# Altium PCB APP_EMILE.PcbDoc (part 5 of 6)
Units mil, origin at the board's own origin, x right, y up, seen from the top; angles counter-clockwise.
Board outline 7620.03 x 9320.03 mil, 12 copper layers (L1_Signal, L2_GND, L3_Signal, L4_GND, L5_Power, L6_GND, L7_GND, L8_Power, L9_GND, L10_Signal, L11_GND, L12_Signal), stack 74.268 mil thick; 395 components, 338 nets, 2140 pads, 1400 vias.
Unrouted connection lines stored in the file: 223.
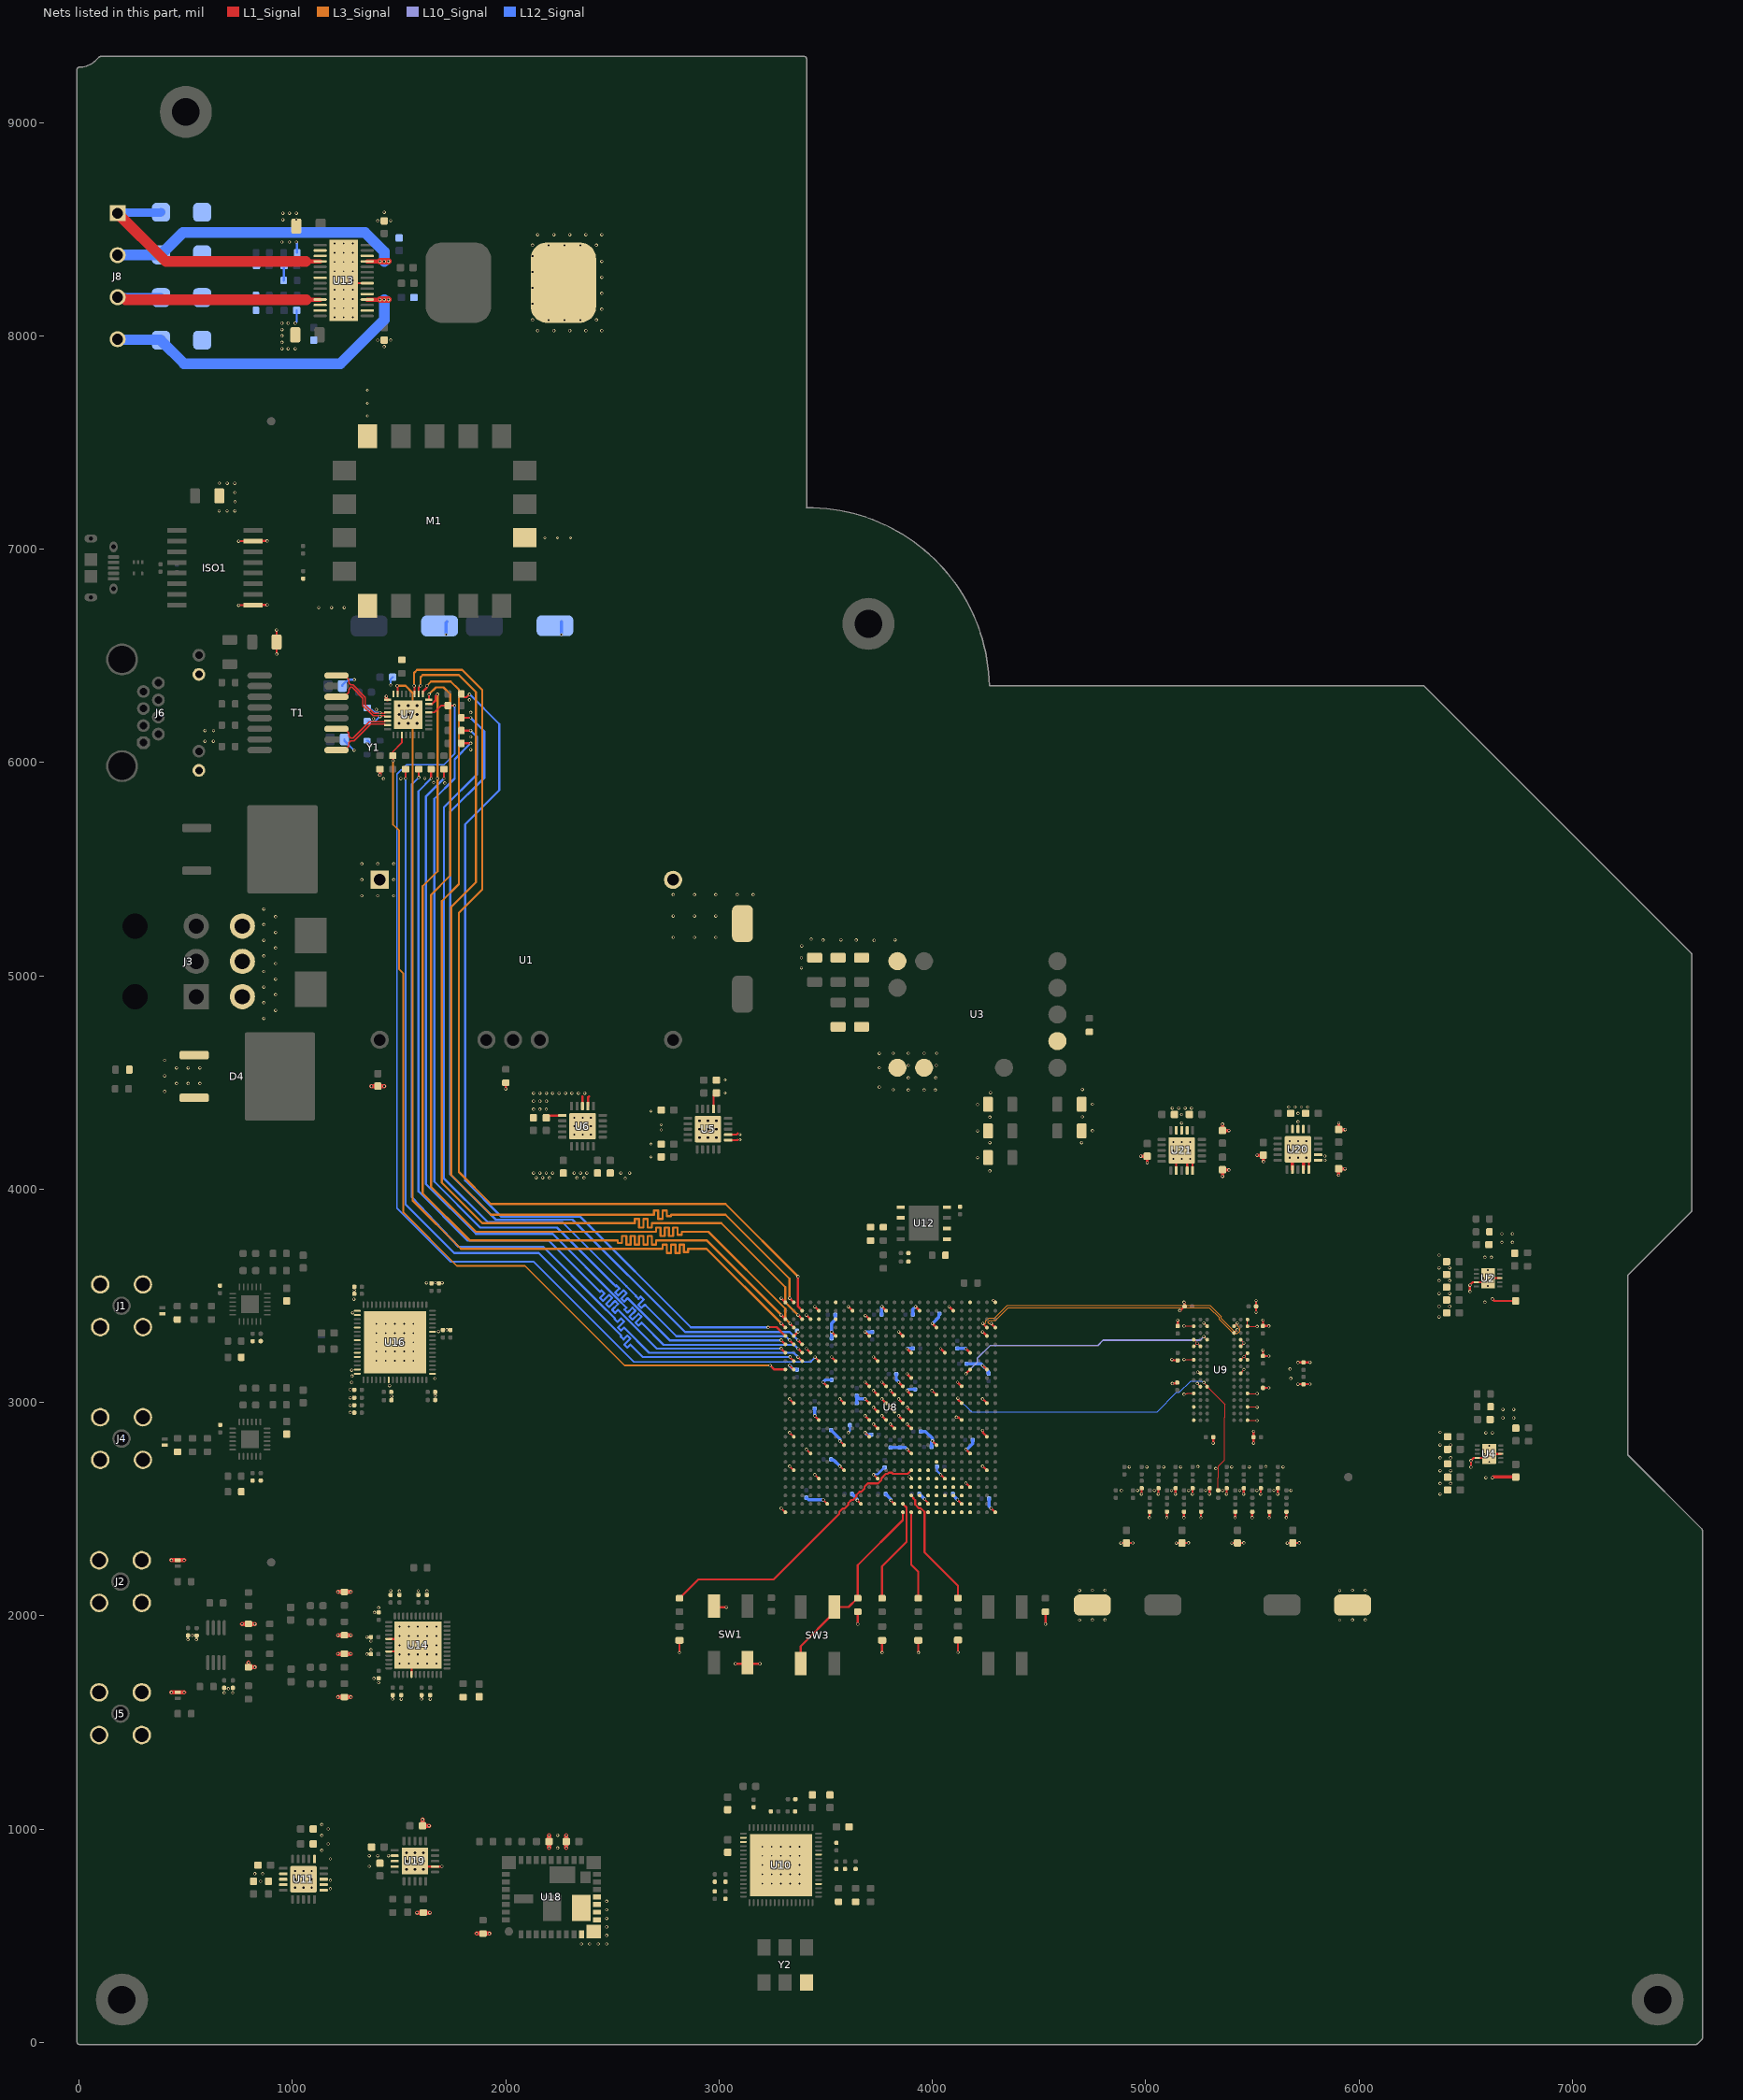
[diagram p15: the nets of this part, all layers, seen from the top]

## Via types
v1: diameter 15, hole 9, L1_Signal to L12_Signal, 719 vias
v2: diameter 15, hole 9, L1_Signal to L12_Signal, tented both sides, 553 vias
v3: diameter 19.68, hole 7.87, L1_Signal to L12_Signal, 89 vias
v4: diameter 13, hole 7, L1_Signal to L12_Signal, 15 vias
v5: diameter 19.68, hole 11.81, L1_Signal to L12_Signal, 15 vias
v6: diameter 22, hole 12, L1_Signal to L12_Signal, 9 vias

## Nets (pads, with @x,y where several pads share a name; then routed paths per layer and width w, separated by ;. In a path a pad name is that pad's centre, name@x,y a point inside that pad or via, vN(x,y) a via of type N, cw(c..) or ccw(c..) an arc to the next point about the centre after c; other vN are vias at no path point) (continued)
DDR3_UDM: U8.V4 U9.D3 | length 1246.4
  L1_Signal w4: v1(5273,3309.01) 5273.18,3309.01 5288.02,3294.17 U9.D3@5288.2,3294.17
  L1_Signal w10: v1(4157.43,3134.92) U8.V4@4176.33,3153.81
  L10_Signal w7.04: v1(4157.43,3134.92) 4211.17,3188.66 4211.17,3206.9 4271.38,3267.11 4775.42,3267.11 4799.85,3291.53 5255.52,3291.53 v1(5273,3309.01)
DDR3_UDQS_N: U8.AC1 U9.B7 | length 1379.8
  L1_Signal w4: U9.B7@5414.18,3357.16 5414.18,3357.34 5429.02,3372.18 v1(5429.02,3372.36)
  L1_Signal w10: v1(4275.89,3369.9) U8.AC1@4294.79,3351.01
  L3_Signal w5.38: v1(4275.89,3369.9) 4264.55,3369.9 4261.4,3373.05 4261.4,3377.51 4269.6,3385.71 4295.8,3385.71 4355.09,3445 5297.05,3445 5344.77,3397.28 5344.77,3390.09 5412.31,3322.55 5429.36,3322.55 5442.21,3335.4 5442.21,3346.32 5430.86,3357.67 5430.86,3370.51 v1(5429.02,3372.36)
DDR3_UDQS_P: U8.AC2 U9.C7 | length 1339.3
  L1_Signal w4: U9.C7@5414.18,3325.66 5414.18,3325.84 5429.02,3340.68 v1(5429.02,3340.86)
  L1_Signal w10: v1(4236.52,3369.9) U8.AC2@4255.42,3351.01
  L3_Signal w5.38: v1(4236.52,3369.9) 4247.87,3369.9 4251.02,3373.05 4251.02,3381.8 4265.3,3396.09 4291.51,3396.09 4350.79,3455.38 5301.35,3455.38 5355.14,3401.58 5355.14,3394.39 5416.61,3332.93 5421.06,3332.93 v1(5429.02,3340.86)
DDR3_WE_N: R59.1 U8.P5 U9.L3 | length 1834.1
  L1_Signal w4: v1(5273,3092.88) 5273,3090.88 5288.2,3075.69 U9.L3@5288.2,3073.7 5372.22,2989.67 5372.22,2930.98 5370,2928.76 5370,2729 5341.19,2700.19 5341.19,2648.29 5340,2647.1 R59.1@5340,2587.5
  L1_Signal w10: v1(4119.2,3019.39) 4120.15,3018.43 4120.15,3013.83 4136.96,2997.03 U8.P5@4137.31,2997.03
  L12_Signal w4: v1(4119.2,3019.39) 4183.59,2955 5053.57,2955 5144.89,3046.32 5157.91,3046.32 5212.52,3100.93 5261.97,3100.93 5270.02,3092.88 v1(5273,3092.88)
DRV_AOUT_1: D12.1 J8.1 U13.4 | length 1248.4
  L1_Signal w20: 1062.37,8349.57 U13.4@1129.76,8349.57
  L1_Signal w50: J8.1@180,8575.28 406.27,8349 1061.8,8349
  L12_Signal w40: J8.1@180,8575.28 182.36,8577.64 381.18,8577.64 D12.1@383.54,8580
DRV_AOUT_2: D11.1 J8.2 U13.25 | length 1477.3
  L1_Signal w20: U13.25@1350.24,8349.57 v2@1410,8349.57
  L1_Signal w30: v2(1410,8350) v2(1450,8350)
  L12_Signal w40: J8.2@180,8378.43 J8.2@180.79,8379.21 ; D11.1@382.76,8379.21 D11.1@383.54,8380
  L12_Signal w50: J8.2@180.79,8379.21 D11.1@382.76,8379.21 ; D11.1@383.54,8380 383.54,8381.97 486.57,8485 1340,8485 1430,8395 v2@1430,8350
  other v2: 1430,8349.13
DRV_BOUT_1: D10.1 J8.3 U13.11 | length 1157.9
  L1_Signal w20: 1065.43,8170.43 U13.11@1129.76,8170.43
  L1_Signal w40: J8.3@180,8181.57 186.7,8174.88 J8.3@211.45,8174.88
  L1_Signal w50: J8.3@211.45,8174.88 216.97,8169.35 1064.35,8169.35
  L12_Signal w40: J8.3@180,8181.57 180.79,8180.79 382.76,8180.79 D10.1@383.54,8180
DRV_BOUT_2: D9.1 J8.4 U13.18 | length 1578.4
  L1_Signal w20: U13.18@1350.24,8170.43 v2@1410,8170.43
  L1_Signal w30: v2(1410,8170) v2(1430,8170) v2(1450,8170)
  L12_Signal w40: J8.4@180,7984.72 J8.4@182.36,7982.36 ; D9.1@381.18,7982.36 D9.1@383.54,7980
  L12_Signal w50: J8.4@182.36,7982.36 D9.1@381.18,7982.36 ; D9.1@383.54,7980 383.54,7978.03 491.57,7870 1225,7870 1430,8075 v2(1430,8170)
DRV_DIR: U13.3
DRV_HOME: U13.2
DRV_S\R\: U13.16
DRV_STEP: U13.19
DRV_USM0: U13.13
DRV_USM1: U13.12
ETH_INTRP: R20.1 U7.21 U8.W22 | length 5000
  L1_Signal w8: U7.21@1638.58,6234.84 1664.84,6234.84 1697.13,6267.13 R20.1@1728.5,6267.13 v2(1760,6267.13) ; v1(3450,3212.17) 3450,3211.86 3468.01,3193.84 U8.W22@3468.01,3193.53
  L12_Signal w8: v2(1760,6267.13) 1760,6040 1710,5990 1534.69,5990 1490,5945.31 1490,3910 1740,3660 2130,3660 2600,3190 3427.83,3190 v1(3450,3212.17)
ETH_LED_1: J6.9
ETH_LED_2: J6.11
ETH_LED_OUT: R27.1
ETH_MDIO: R19.1 U7.11 U8.V26 | length 4372.2
  L1_Signal w8: v2(1471.75,6008.45) 1470.88,6009.32 1470.88,6030.62 R19.1@1470,6031.5 1470,6050 1512.6,6092.6 U7.11@1512.6,6128.54
  L1_Signal w10: v2(3240,3173.4) 3259.24,3154.16 U8.V26@3310.53,3154.16
  L3_Signal w8: v2(1471.75,6008.45) 1471.75,5708.25 1500,5680 1500,5030 1520,5010 1520,3890 1770,3640 2090,3640 2556.6,3173.4 v2(3240,3173.4)
ETH_R\S\T\: U7.32
ETH_RD_N: R2.1 T1.8 U7.4 | length 415.4
  L1_Signal w6.53: T1.8@1205.98,6408.11 1243,6408.11 1263.26,6387.84 1263.26,6374.17 1273.56,6363.88 1283.74,6363.88 1341.43,6306.18 1341.43,6271.1 1381.77,6230.76 1401.94,6230.76 1403.56,6232.38 1408.38,6232.38 v2(1410,6234) 1411.62,6232.38 1416.44,6232.38 1418.06,6230.76 1430.76,6230.76 1434.84,6234.84 U7.4@1445.67,6234.84
  L12_Signal w6.53: R2.1@1350,6256.5 1358.19,6248.31 1372.06,6248.31 1386.37,6234 v2(1410,6234)
ETH_RD_P: R2.2 T1.6 U7.5 | length 417.5
  L1_Signal w6.53: T1.6@1205.98,6308.11 1243,6308.11 1263.26,6328.38 1263.26,6342.05 1273.56,6352.35 1278.97,6352.35 1329.91,6301.41 1329.91,6266.33 1377,6219.24 1401.94,6219.24 1403.56,6217.62 1408.38,6217.62 v2(1410,6216) 1411.62,6217.62 1416.44,6217.62 1418.06,6219.24 1430.76,6219.24 1434.84,6215.16 U7.5@1445.67,6215.16
  L12_Signal w6.53: R2.2@1350,6193.5 1350.96,6192.54 1373.47,6192.54 1374.3,6191.71 1385.7,6191.71 1393.76,6199.77 1393.76,6200.9 1408.87,6216 v2(1410,6216)
ETH_RXC: R28.2 U8.AA25 | length 4256.3
  L1_Signal w10: R28.2@1791.5,6150 v2(1835,6150) ; v1(3330.24,3291.86) U8.AA25@3349.9,3272.27
  L12_Signal w10: v2(1835,6150) 1865,6120 1865,5945 1710,5790 1710,4050 1915.62,3844.38 2265.62,3844.38 2565,3545 2609.04,3500.96 2607.75,3499.67 2621.89,3485.53 2632.32,3495.96 2646.46,3481.82 2621.51,3456.87 2635.66,3442.73 2651.46,3458.54 2655,3455 2800,3310 3312.1,3310 v1(3330.24,3291.86)
ETH_RXD0: R23.2 U8.Y24 | length 4256.6
  L1_Signal w10: v2(1710,5925) R23.2@1710,5968.5 ; v2(3370.33,3252.14) 3370.33,3252 3389.27,3233.05 U8.Y24@3389.27,3232.9
  L12_Signal w10: v2(1710,5925) 1625,5840 1625,4025 1860,3790 2220,3790 2525,3485 2565.75,3444.25 2556.8,3435.29 2570.94,3421.15 2594.04,3444.25 2608.18,3430.1 2579.9,3401.82 2594.04,3387.68 2622.32,3415.96 2636.46,3401.82 2608.18,3373.54 2622.32,3359.39 2636.46,3373.54 2640,3370 2740,3270 3352.1,3270 3369.96,3252.14 v2(3370.33,3252.14)
ETH_RXD1: R24.2 U8.Y26 | length 4256.3
  L1_Signal w10: v2(1650,5925) R24.2@1650,5968.5 ; v1@3290.94,3252.49 U8.Y26@3310.53,3232.9
  L12_Signal w10: v2(1650,5925) 1590,5865 1590,3990 1820,3760 2200,3760 2410,3550 2441.61,3518.39 2448.3,3525.08 2462.44,3510.93 2441.61,3490.1 2455.75,3475.96 2484.04,3504.25 2498.18,3490.1 2469.9,3461.82 2484.04,3447.68 2512.32,3475.96 2526.46,3461.82 2498.18,3433.54 2512.32,3419.39 2526.46,3433.54 2530,3430 2707.51,3252.49 v1(3290.87,3252.49)
ETH_RXD2: R25.2 U8.W24 | length 4256.9
  L1_Signal w10: R25.2@1591.34,5968.5 1591.86,5967.98 1591.86,5930.72 v2(1592.38,5930.2) ; v2(3370.02,3212.17) 3370.33,3212.17 3388.96,3193.53 U8.W24@3389.27,3193.53
  L12_Signal w10: v2(1592.38,5930.2) 1560,5897.82 1560,3963.47 1778.3,3730 2175,3730 2437.5,3467.5 2511.54,3393.46 2509.79,3391.72 2523.93,3377.57 2539.82,3393.46 2553.96,3379.32 2525.68,3351.04 2539.82,3336.89 2553.96,3351.04 2557.5,3347.5 2672.1,3232.9 3349.75,3232.9 3370.02,3212.64 v2(3370.02,3212.17)
ETH_RXD3: R26.2 U8.W25 | length 4256.7
  L1_Signal w10: v2(1530,5925) R26.2@1530,5968.5 ; v2(3332.78,3213.12) 3333.73,3212.17 3333.73,3209.68 3347.37,3196.04 U8.W25@3349.9,3193.53
  L12_Signal w10: v2(1530,5925) 1530,3928.05 1758.05,3700 2155,3700 2412.5,3442.5 2541.54,3313.46 2537.78,3309.71 2551.93,3295.57 2569.82,3313.46 2583.96,3299.32 2555.68,3271.04 2569.82,3256.89 2583.96,3271.04 2587.5,3267.5 2641.88,3213.12 v2(3332.78,3213.12)
ETH_RXDV: R21.2 U8.AA26 | length 4256.8
  L1_Signal w10: R21.2@1791.5,6090 v2(1835,6090) ; v1@3290.94,3291.86 U8.AA26@3310.53,3272.27
  L12_Signal w10: v2(1835,6090) 1760,6015 1760,5925 1665,5830 1665,4035 1880,3820 2240,3820 2505,3555 2514.9,3545.1 2518.31,3548.52 2532.45,3534.38 2513.23,3515.15 2527.37,3501.01 2552.32,3525.96 2566.46,3511.82 2541.51,3486.87 2555.66,3472.73 2571.46,3488.54 2575,3485 2770,3290 3285.47,3290 3286.38,3290.91 3289.91,3290.91 v1(3290.87,3291.86)
ETH_RXER: R22.2 U8.AA24 | length 4256.4
  L1_Signal w10: R22.2@1791.5,6210 v2(1835,6210) ; v2(3370,3291.59) U8.AA24@3389.27,3272.27
  L12_Signal w10: v2(1835,6210) 1900,6145 1900,5930 1740,5770 1740,4070 1952.62,3857.38 2312.62,3857.38 2840,3330 3331.47,3330 3369.88,3291.59 v2(3370,3291.59)
ETH_TD_N: T1.3 U7.6 | length 299.8
  L1_Signal w6.53: T1.3@1205.98,6158.11 1243,6158.11 1263.26,6137.84 1263.26,6124.17 1273.56,6113.88 1283.88,6113.88 1361.39,6191.39 1430.76,6191.39 1434.84,6195.47 U7.6@1445.67,6195.47
ETH_TD_P: T1.1 U7.7 | length 299.8
  L1_Signal w6.53: T1.1@1205.98,6058.11 1243,6058.11 1263.26,6078.38 1263.26,6092.05 1273.56,6102.35 1288.65,6102.35 1366.17,6179.87 1430.76,6179.87 1434.84,6175.79 U7.7@1445.67,6175.79
ETH_TXC: R29.2 U8.AB26 | length 4258.7
  L1_Signal w10: R29.2@1791.5,6321.46 1791.5,6320.02 1805.38,6306.14 1816.14,6306.14 v2(1830,6320) ; v2(3230,3351.75) 3230.96,3352.7 3269.47,3352.7 U8.AB26@3310.53,3311.64
  L12_Signal w10: v2(1830,6320) 1969.62,6180.38 1969.62,5870.38 1809.62,5710.38 1809.62,4040.38 1979.62,3870.38 2349.62,3870.38 2868.25,3351.75 v2(3230,3351.75)
ETH_TXD0: U7.24 U8.AC25 | length 4732.1
  L1_Signal w10: U7.24@1638.58,6293.9 1639.92,6293.9 1640,6293.98 v2(1640,6320) ; v2(3332.78,3369.61) 3332.78,3368.88 3349.9,3351.75 U8.AC25@3349.9,3351.01
  L3_Signal w10: v2(1640,6320) 1672.16,6352.16 1707.84,6352.16 1740,6320 1740,5470 1650,5380 1650,4010 1860,3800 2700,3800 2705,3800 2705,3820 2725,3820 2725,3780 2745,3780 2745,3820 2765,3820 2765,3780 2785,3780 2785,3820 2805,3820 2805,3785.43 2825,3785.43 2825,3800 2860,3800 2950,3800 3310,3440 3310,3392.39 v2(3332.78,3369.61)
ETH_TXD1: U7.25 U8.AD24 | length 4721.6
  L1_Signal w10: U7.25@1611.02,6321.46 1611.02,6332.13 1629.04,6350.15 1629.04,6359.04 v2(1630,6360) ; v2(3370,3409.62) U8.AD24@3389.27,3390.38
  L3_Signal w10: v2(1630,6360) 1650,6380 1742.16,6380 1780,6342.16 1780,5430 1700,5350 1700,4030 1890,3840 2600,3840 2605,3840 2605,3860 2625,3860 2625,3820 2645,3820 2645,3860 2665,3860 2665,3820 2685,3820 2685,3840 2710,3840 3010,3840 3310,3540 3310,3469.48 3369.86,3409.62 v2(3370,3409.62)
  L10_Signal w10: v2(3370,3409.62) v2@3370.38,3409.62
ETH_TXD2: U7.26 U8.AF25 | length 4730.6
  L1_Signal w10: U7.26@1591.34,6321.46 1591.34,6351.34 v2(1600,6360) ; v2@3330.66,3488.36 U8.AF25@3349.9,3469.12
  L3_Signal w10: v2(1600,6360) 1600,6400 1610,6410 1780,6410 1860,6330 1860,5438.29 1744.27,5322.56 1744.27,4065.73 1930,3880 2690,3880 2695,3880 2695,3900 2715,3900 2715,3860 2735,3860 2735,3900 2755,3900 2755,3873.5 2775,3873.5 2775,3880 2790,3880 3030,3880 3330.49,3579.51 v2(3330.49,3488.36)
ETH_TXD3: U7.27 U8.AE24 | length 4730.9
  L1_Signal w10: v2(1570,6360) 1570,6358.65 1571.65,6356.99 U7.27@1571.65,6321.46 ; v2(3370,3590) 3370,3449.03 U8.AE24@3389.27,3429.75
  L3_Signal w10: v2(1570,6360) 1570,6420 1584.25,6434.25 1795.75,6434.25 1890,6340 1890,5404.97 1780,5294.97 1780,4080 1930,3930 3030,3930 v2(3370,3590)
ETH_TXEN: U7.23 U8.AD26 | length 4730.6
  L1_Signal w10: U7.23@1638.58,6274.21 1654.21,6274.21 1670.84,6290.84 1670.84,6310.84 v2(1680,6320) ; v2@3291.29,3409.62 U8.AD26@3310.53,3390.38
  L3_Signal w10: v2(1680,6320) 1680,5490 1610,5420 1610,3980 1830,3760 2510,3760 2525,3760 2525,3747.52 2545,3747.52 2545,3780 2565,3780 2565,3740 2585,3740 2585,3780 2605,3780 2605,3740 2625,3740 2625,3780 2645,3780 2645,3740 2665,3740 2665,3780 2685,3780 2685,3740 2705,3740 2705,3760 2710,3760 2940.74,3760 v2(3291.12,3409.62)
  other v2: 1680,5925
ETH_TXER: U7.31 U8.AC26 | length 4730.9
  L1_Signal w10: v2(1490,6360) 1490,6358.65 1492.91,6355.73 U7.31@1492.91,6321.46 ; v2@3291.29,3370.25 U8.AC26@3310.53,3351.01
  L3_Signal w10: v2(1490,6360) 1530,6360 1563.52,6326.48 1563.52,3946.48 1790,3720 2730,3720 2735,3720 2735,3740 2755,3740 2755,3700 2775,3700 2775,3740 2795,3740 2795,3700 2815,3700 2815,3740 2835,3740 2835,3704.87 2855,3704.87 2855,3720 2880,3720 2941.37,3720 v2(3291.12,3370.25)
Flash_CLK: R63.1 R65.2 U8.AD22 U12.6
Flash_CSO: R64.1 U8.AF4 U12.1
Flash_MISO: U8.AD20 U12.2
Flash_MOSI: U8.AF20 U12.5
GND: C1.1 C2.1 C4.1 C5.2 C6.1 C7.1 C8.1 C9.1 C10.1 C11.1 C12.1 C13.1 C14.1 C15.1 C16.1 C17.1 C18.1 C19.1 C20.1 C21.1 C22.1 C23.1 C24.1 C25.1 C26.1 C27.1 C28.1 C29.1 C30.1 C31.1 C32.1 C33.1 C34.1 C35.1 C36.1 C37.1 C38.1 C39.1 C40.1 C41.1 C42.2 C43.1 C44.2 C45.1 C46.1 C47.2 C48.1 C49.1 C50.1 C51.2 C52.1 C53.1 C54.1 C55.1 C56.1 C57.1 C58.1 C59.1 C60.1 C61.1 C62.1 C63.1 C64.1 C65.1 C66.1 C67.1 C68.1 C69.1 C71.1 C72.1 C73.1 C74.1 C75.1 C76.1 C77.1 C78.1 C79.1 C80.1 C81.1 C82.1 C83.1 C84.1 C85.1 C86.1 C87.1 C88.2 C89.1 C92.1 C93.1 C94.1 C95.1 C97.1 C98.1 C99.1 C100.1 C101.1 C102.1 C103.1 C104.1 C105.1 C106.1 C107.1 C108.1 C109.1 C110.1 C114.1 C116.1 C117.1 C118.1 C119.1 C120.1 C121.1 C122.1 C123.1 C124.1 C125.1 C126.1 C127.1 C128.1 C129.1 C130.1 C131.1 C132.1 C133.1 C134.1 C135.1 C136.1 C137.1 C138.1 C139.1 C141.1 C142.1 C143.1 C144.1 C145.1 C146.1 C147.1 C148.1 C149.1 C150.1 C151.1 C152.1 C153.1 C154.1 C155.1 C156.1 C157.1 C158.1 C159.1 C160.1 C161.1 C162.1 C163.1 C164.1 C165.1 C166.1 C167.1 C168.1 C169.1 C170.1 C171.1 C172.1 C173.1 C174.1 C175.1 C176.1 C177.1 C178.1 C179.1 C180.1 C181.1 C182.1 C183.1 C184.1 C185.1 C186.1 C187.1 C188.1 C189.1 C190.1 C191.1 C192.1 C193.1 C194.1 C195.1 C196.1 C197.1 C198.1 C199.1 C200.1 C201.1 C202.1 C203.1 C204.1 C205.1 C206.1 C207.1 C208.1 C209.1 D1.2 D2.2 D4.1 D4.3 D5.K D6.2 D7.2 D9.2 D10.2 D11.2 D12.2 D13.K D14.K D15.K D16.K ISO1.9 ISO1.15 J1.2 J1.3 J1.4 J1.5 J2.2 J2.3 J2.4 J2.5 J3.4 J3.5 J3.6 J4.2 J4.3 J4.4 J4.5 J5.2 J5.3 J5.4 J5.5 L1.1 M1.1 M1.7 M1.14 R6.1 R12.1 R14.1 R15.1 R18.1 R30.1 R32.1 R33.1 R55.1 R56.2 R61.1 R65.1 R68.1 R69.1 R71.1 R72.1 R73.1 R74.1 R79.2 R80.1 R81.1 R86.2 R87.1 R88.1 R90.1 R95.1 R96.2 R103.1 R104.2 R107.1 R108.1 R111.1 R113.1 SW1.2 SW1.3 U1.1 U1.7 U2.4 U2.8 U2.11 U3.1 U3.3 U3.4 U3.7 U4.4 U4.8 U4.11 U5.6 U5.7 U5.12 U5.E1 U6.7 U6.8 U6.11 U6.E1 U7.1 U7.33 U7.34 U7.35 U7.36 U7.37 U7.38 U7.39 U7.40 U7.41 U7.42 U8.A1 U8.A26 U8.AB2 U8.AB12 U8.AB16 U8.AB20 U8.AB25 U8.AC8 U8.AD16 U8.AD23 U8.AE6 U8.AE10 U8.AE14 U8.AE18 U8.AE22 U8.AF1 U8.AF26 U8.B5 U8.B9 U8.B13 U8.B17 U8.B21 U8.D4 U8.E7 U8.E11 U8.E15 U8.E22 U8.F2 U8.F19 U8.F25 U8.H4 U8.H11 U8.H23 U8.J8 U8.J19 U8.K2 U8.K16 U8.K25 U8.L11 U8.L13 U8.L15 U8.M5 U8.M12 U8.M14 U8.M16 U8.M22 U8.N11 U8.N13 U8.N15 U8.P2 U8.P12 U8.P14 U8.P16 U8.P19 U8.P25 U8.R8 U8.R11 U8.R13 U8.R15 U8.T5 U8.T12 U8.T14 U8.T16 U8.T21 U8.U11 U8.V2 U8.V25 U8.W15 U8.W20 U8.Y4 U8.Y7 U8.Y11 U8.Y23 U9.A9 U9.B1 U9.B3 U9.B9 U9.D1 U9.D8 U9.E1 U9.E2 U9.E8 U9.F9 U9.G1 U9.G8 U9.G9 U9.J2 U9.J8 U9.L2 U9.M1 U9.M9 U9.P1 U9.P9 U9.T1 U9.T9 U10.2 U10.3 U10.36 U10.43 U10.PAD U11.6 U11.7 U11.8 U11.11 U11.17 U11.18 U11.19 U11.E1 U12.4 U13.7 U13.21 U13.26 U13.PAD U14.5 U14.41 U14.44 U14.PAD U16.17 U16.18 U16.21 U16.24 U16.27 U16.28 U16.31 U16.32 U16.39 U16.49 U16.59 U16.PAD U18.10 U18.11 U18.12 U18.13 U18.14 U18.15 U18.39 U19.7 U19.17 U19.18 U19.19 U19.21 U20.7 U20.9 U20.10 U20.11 U20.12 U20.17 U20.18 U20.19 U20.E1 U21.7 U21.9 U21.10 U21.17 U21.18 U21.19 U21.E1 Y1.2 Y2.3 | length 9848.3
  L1_Signal w3: v1(3290.87,2504.11) v1@3290.94,2504.11 ; v1(3290.87,3488.36) v1@3290.94,3488.36 ; U8.A26@3310.53,2484.52 U8.A26@3310.61,2484.52 ; U8.AF26@3310.53,3468.77 U8.AF26@3310.61,3468.77 ; v1(3330.24,2700.96) v1(3330.24,2700.96) ; v1(3330.24,2858.44) v1(3330.24,2858.44) ; v1(3330.24,3015.92) v1(3330.24,3015.92) ; v1(3330.24,3173.4) v1(3330.24,3173.4) ; U8.F25@3349.9,2681.37 U8.F25@3349.98,2681.37 ; U8.K25@3349.9,2838.85 U8.K25@3349.98,2838.85 ; U8.P25@3349.9,2996.33 U8.P25@3349.98,2996.33 ; U8.V25@3349.9,3153.81 U8.V25@3349.98,3153.81 ; U8.AB25@3349.9,3311.29 U8.AB25@3349.98,3311.29 ; U8.AB25@3349.9,3311.64 U8.AB25@3350.33,3311.64 ; v2@3369.57,3330.88 v2(3370,3330.88) ; v1(3408.98,2779.7) v1@3409.05,2779.7 ; v1(3408.98,3252.14) v1@3409.05,3252.14 ; v1(3408.98,3409.62) v1@3409.05,3409.62 ; U8.H23@3428.64,2760.11 U8.H23@3428.72,2760.11 ; U8.Y23@3428.64,3232.55 U8.Y23@3428.72,3232.55 ; U8.AD23@3428.64,3390.03 U8.AD23@3428.72,3390.03 ; v1(3448.35,2661.59) v1(3448.35,2661.59) ; v1(3448.35,2937.18) v1(3448.35,2937.18) ; v1(3448.35,3448.99) v1(3448.35,3448.99) ; U8.E22@3468.01,2642 U8.E22@3468.09,2642 ; U8.M22@3468.01,2917.59 U8.M22@3468.09,2917.59 ; U8.AE22@3468.01,3429.4 U8.AE22@3468.09,3429.4 ; v1(3487.72,2543.48) v1@3487.79,2543.48 ; v1(3487.72,3094.66) v1@3487.79,3094.66 ; U8.B21@3507.38,2523.89 U8.B21@3507.46,2523.89 ; U8.T21@3507.38,3075.07 U8.T21@3507.46,3075.07 ; v1(3527.09,3212.77) v1@3527.16,3212.77 ; v1(3527.09,3330.88) v1@3527.16,3330.88 ; U8.W20@3546.75,3193.18 U8.W20@3546.83,3193.18 ; U8.AB20@3546.75,3311.29 U8.AB20@3546.83,3311.29 ; v1(3566.46,2700.96) v1@3566.53,2700.96 ; v1(3566.46,2819.07) v1@3566.53,2819.07 ; v1(3566.46,3015.92) v1@3566.53,3015.92 ; U8.F19@3586.12,2681.37 U8.F19@3586.2,2681.37 ; U8.J19@3586.12,2799.48 U8.J19@3586.2,2799.48 ; U8.P19@3586.12,2996.33 U8.P19@3586.2,2996.33 ; v1(3605.83,3448.99) v1(3605.83,3448.99) ; U8.AE18@3625.49,3429.4 U8.AE18@3625.57,3429.4 ; v1(3684.49,2858.44) v1@3684.57,2858.44 ; v1(3684.49,2937.18) v1@3684.57,2937.18 ; v1(3684.49,3015.92) v1@3684.57,3015.92 ; v1(3684.57,3094.66) v1@3684.64,3094.66 ; v1(3684.57,3330.88) v1@3684.64,3330.88 ; U8.K16@3704.16,2838.85 U8.K16@3704.23,2838.85 ; U8.M16@3704.16,2917.59 U8.M16@3704.23,2917.59 ; U8.P16@3704.16,2996.33 U8.P16@3704.23,2996.33 ; U8.T16@3704.23,3075.07 U8.T16@3704.31,3075.07 ; U8.AB16@3704.23,3311.29 U8.AB16@3704.31,3311.29 ; v1(3723.86,2897.81) v1@3723.94,2897.81 ; v1(3723.86,2976.55) v1@3723.94,2976.55 ; v1(3723.94,2661.59) v1(3723.94,2661.59) ; v1(3723.94,3212.77) v1(3723.94,3212.77) ; U8.L15@3743.53,2878.22 U8.L15@3743.61,2878.22 ; U8.N15@3743.53,2956.96 U8.N15@3743.61,2956.96 ; U8.E15@3743.61,2642 U8.E15@3743.68,2642 ; U8.W15@3743.61,3193.18 U8.W15@3743.68,3193.18 ; v1(3763.23,2937.18) v1(3763.23,2937.18) ; v1(3763.23,3015.92) v1(3763.23,3015.92) ; v1(3763.31,3094.66) v1@3763.38,3094.66 ; v1(3763.31,3448.99) v1@3763.38,3448.99 ; U8.M14@3782.9,2917.59 U8.M14@3782.98,2917.59 ; U8.P14@3782.9,2996.33 U8.P14@3782.98,2996.33 ; U8.T14@3782.98,3075.07 U8.T14@3783.05,3075.07 ; U8.AE14@3782.98,3429.4 U8.AE14@3783.05,3429.4 ; v1(3802.6,2897.81) v1@3802.68,2897.81 ; v1(3802.6,2976.55) v1@3802.68,2976.55 ; v1(3802.68,3055.29) v1@3802.75,3055.29 ; U8.L13@3822.27,2878.22 U8.L13@3822.35,2878.22 ; U8.N13@3822.27,2956.96 U8.N13@3822.35,2956.96 ; U8.R13@3822.35,3035.7 U8.R13@3822.42,3035.7 ; v1(3841.98,2937.18) v1@3842.05,2937.18 ; v1(3841.98,3015.92) v1@3842.05,3015.92 ; v1(3842.05,3094.66) v1(3842.05,3094.66) ; v1(3842.05,3330.88) v1(3842.05,3330.88) ; U8.M12@3861.64,2917.59 U8.M12@3861.72,2917.59 ; U8.P12@3861.64,2996.33 U8.P12@3861.72,2996.33 ; U8.T12@3861.72,3075.07 U8.T12@3861.79,3075.07 ; U8.AB12@3861.72,3311.29 U8.AB12@3861.79,3311.29 ; v1(3881.35,2897.81) v1(3881.35,2897.81) ; v1(3881.35,2976.55) v1(3881.35,2976.55) ; v1(3881.42,2779.7) v1@3881.49,2779.7 ; v1(3881.42,3055.29) v1@3881.49,3055.29 ; v1(3881.42,3134.03) v1@3881.49,3134.03 ; v1(3881.42,3252.14) v1@3881.49,3252.14 ; U8.L11@3901.01,2878.22 U8.L11@3901.09,2878.22 ; U8.N11@3901.01,2956.96 U8.N11@3901.09,2956.96 ; U8.H11@3901.09,2760.11 U8.H11@3901.16,2760.11 ; U8.R11@3901.09,3035.7 U8.R11@3901.16,3035.7 ; U8.U11@3901.09,3114.44 U8.U11@3901.16,3114.44 ; U8.Y11@3901.09,3232.55 U8.Y11@3901.16,3232.55 ; v1(3920.79,3448.99) v1@3920.86,3448.99 ; U8.AE10@3940.46,3429.4 U8.AE10@3940.53,3429.4 ; v1(3998.14,3055.93) v1(3998.14,3055.93) ; v1(3999.53,2819.07) v1(3999.53,2819.07) ; v1(3999.53,3370.25) v1(3999.53,3370.25) ; U8.J8@4019.2,2799.48 U8.J8@4019.27,2799.48 ; U8.AC8@4019.2,3350.66 U8.AC8@4019.27,3350.66 ; v1(4038.9,2661.59) v1@4038.98,2661.59 ; v1(4038.9,3252.14) v1@4038.98,3252.14 ; U8.E7@4058.57,2642 U8.E7@4058.64,2642 ; U8.Y7@4058.57,3232.55 U8.Y7@4058.64,3232.55 ; v1(4078.27,3448.99) v1@4078.35,3448.99 ; U8.AE6@4097.94,3429.4 U8.AE6@4098.01,3429.4 ; v1(4117.64,2543.48) v1(4117.64,2543.48) ; v1(4117.64,3094.66) v1(4117.64,3094.66) ; U8.B5@4137.31,2523.89 U8.B5@4137.38,2523.89 ; U8.T5@4137.31,3075.07 U8.T5@4137.38,3075.07 ; v1(4157.01,2622.22) v1@4157.09,2622.22 ; v1(4157.01,2779.7) v1@4157.09,2779.7 ; v1(4157.01,3252.14) v1@4157.09,3252.14 ; U8.D4@4176.68,2602.63 U8.D4@4176.75,2602.63 ; v1(4235.75,2700.96) v1@4235.83,2700.96 ; v1(4235.75,3173.4) v1@4235.83,3173.4 ; v1(4235.75,3330.88) v1@4235.83,3330.88 ; v1(4275.12,2504.11) v1@4275.2,2504.11 ; U8.A1@4294.79,2484.52 U8.A1@4294.86,2484.52